# Altium PCB ir-24v-shit5-7.PcbDoc (part 1 of 6)
Units mm, origin at the board's own origin, x right, y up, seen from the top; angles counter-clockwise.
Board outline 326.8 x 258 mm, 2 copper layers (Top Layer, Bottom Layer); 1190 components, 31 nets, 3220 pads, 0 vias.
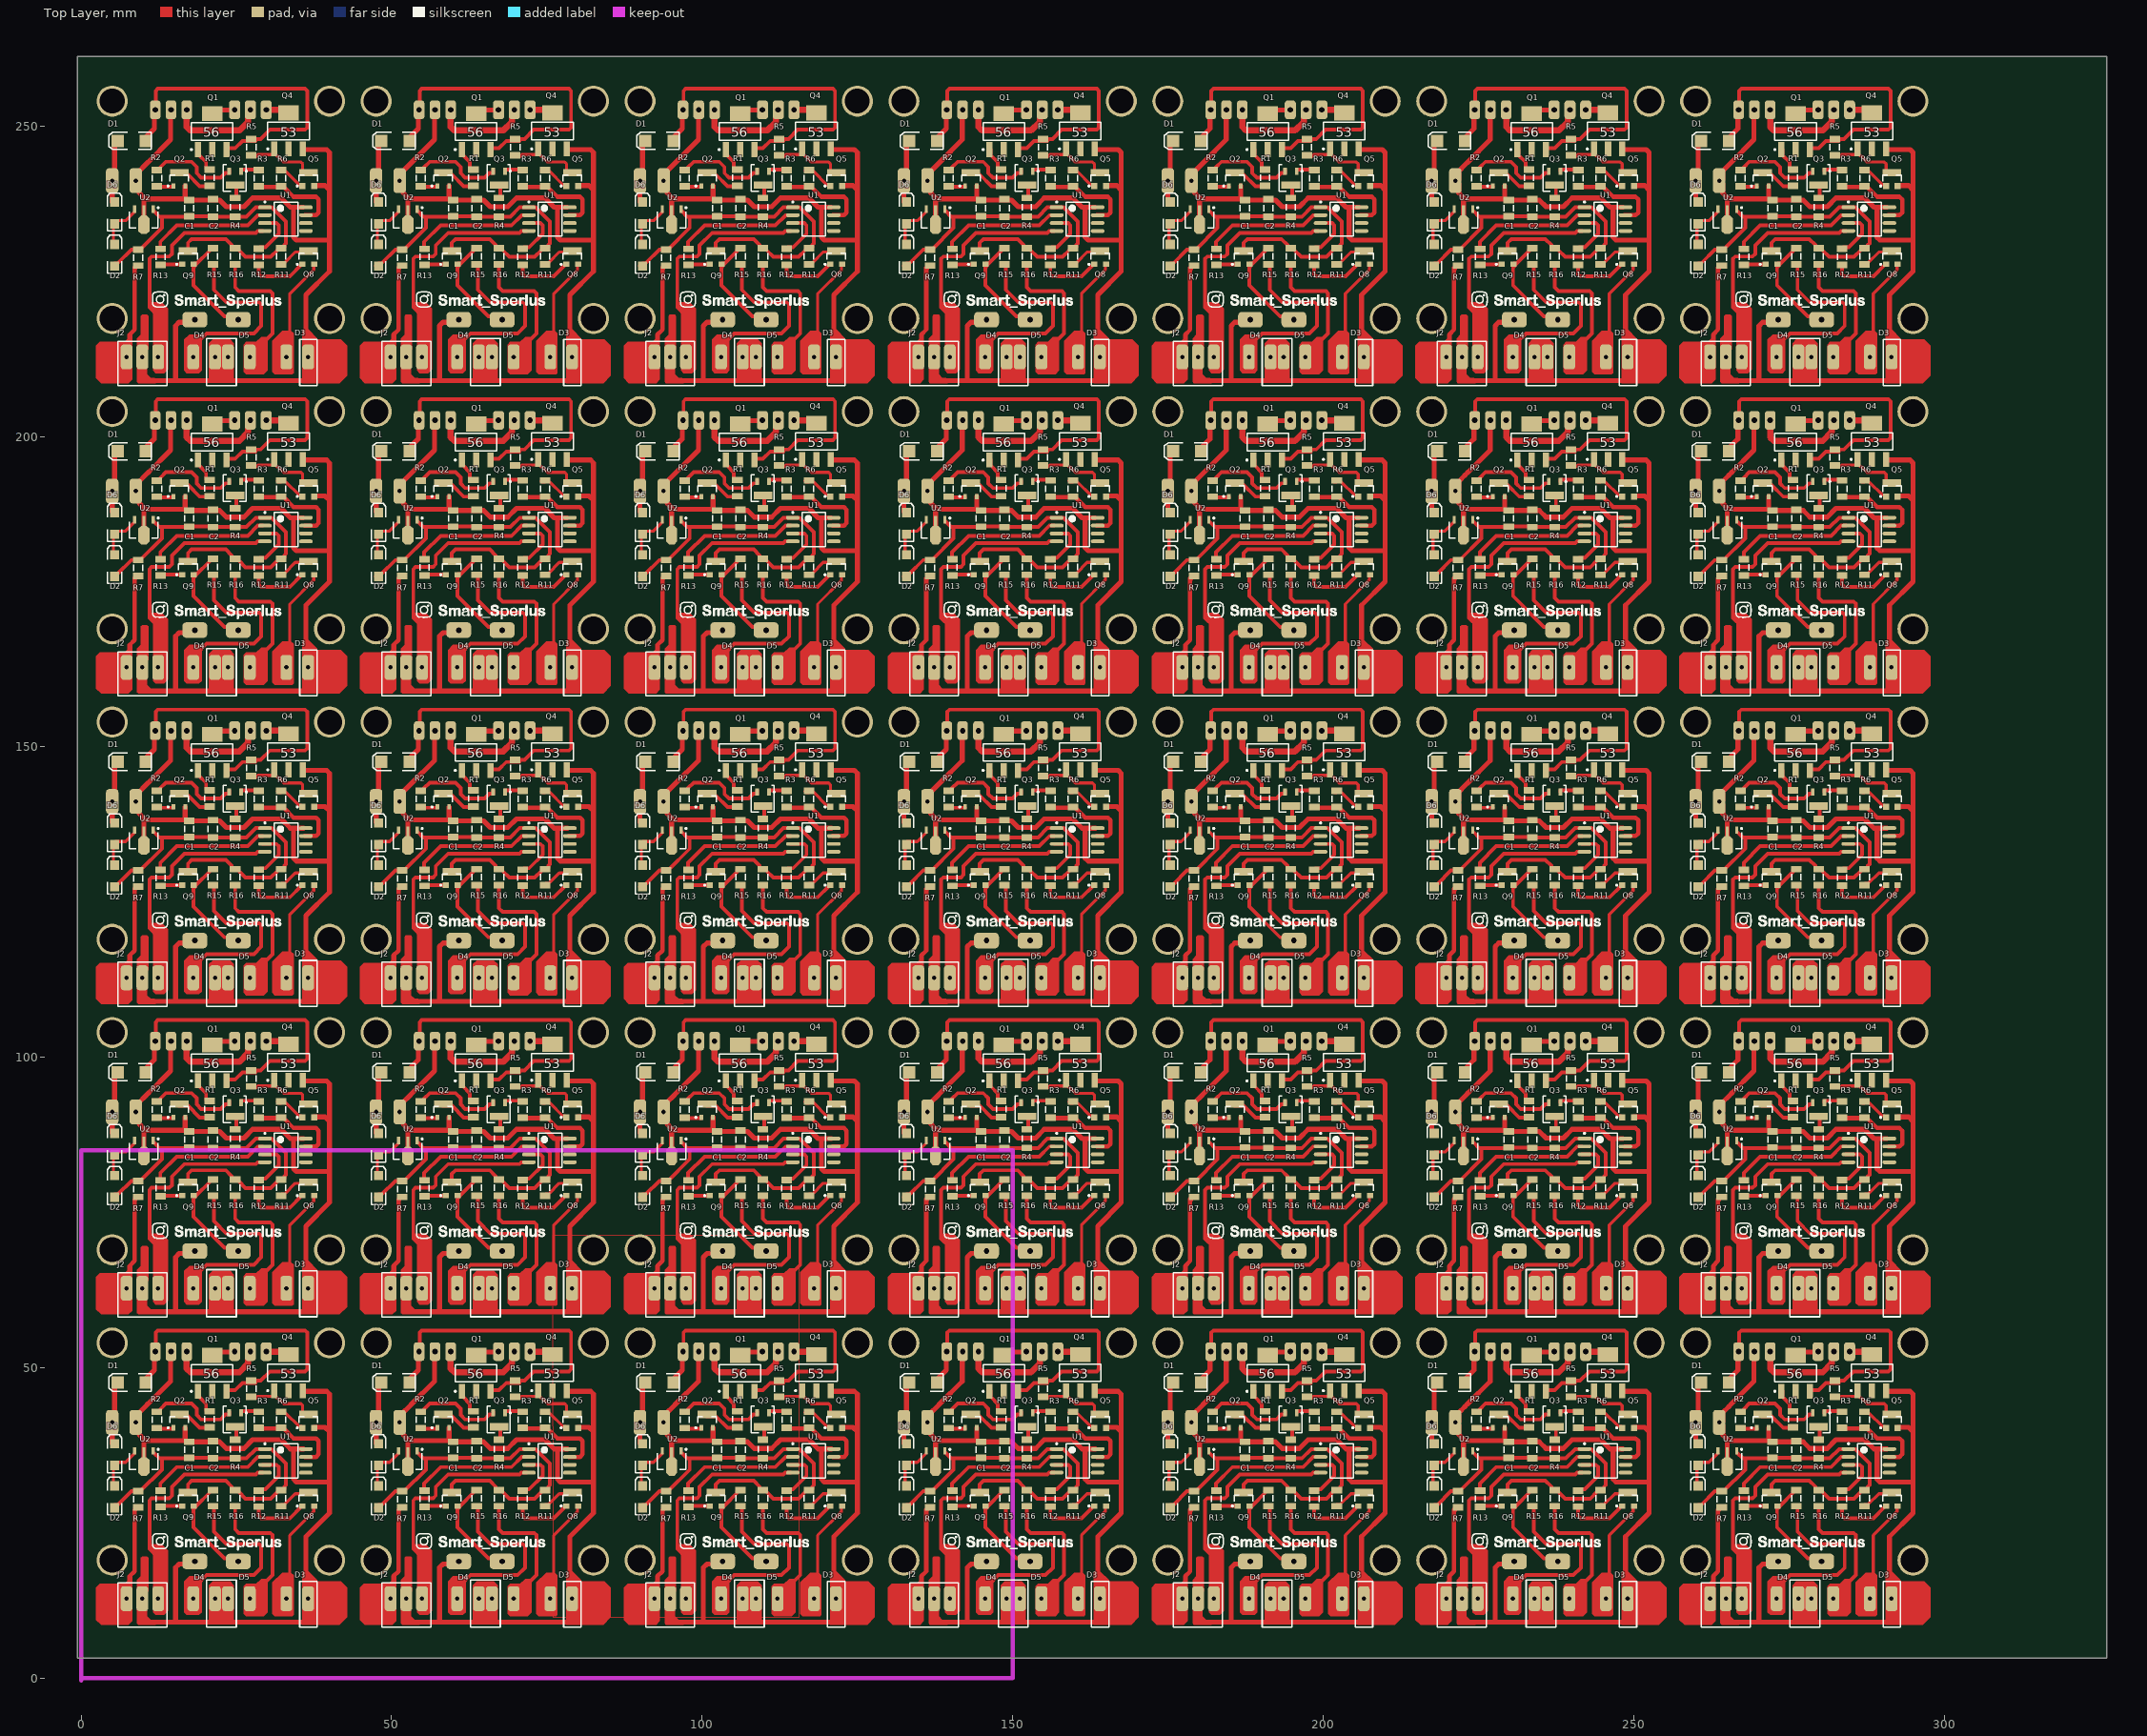
[diagram p0: Top Layer view]
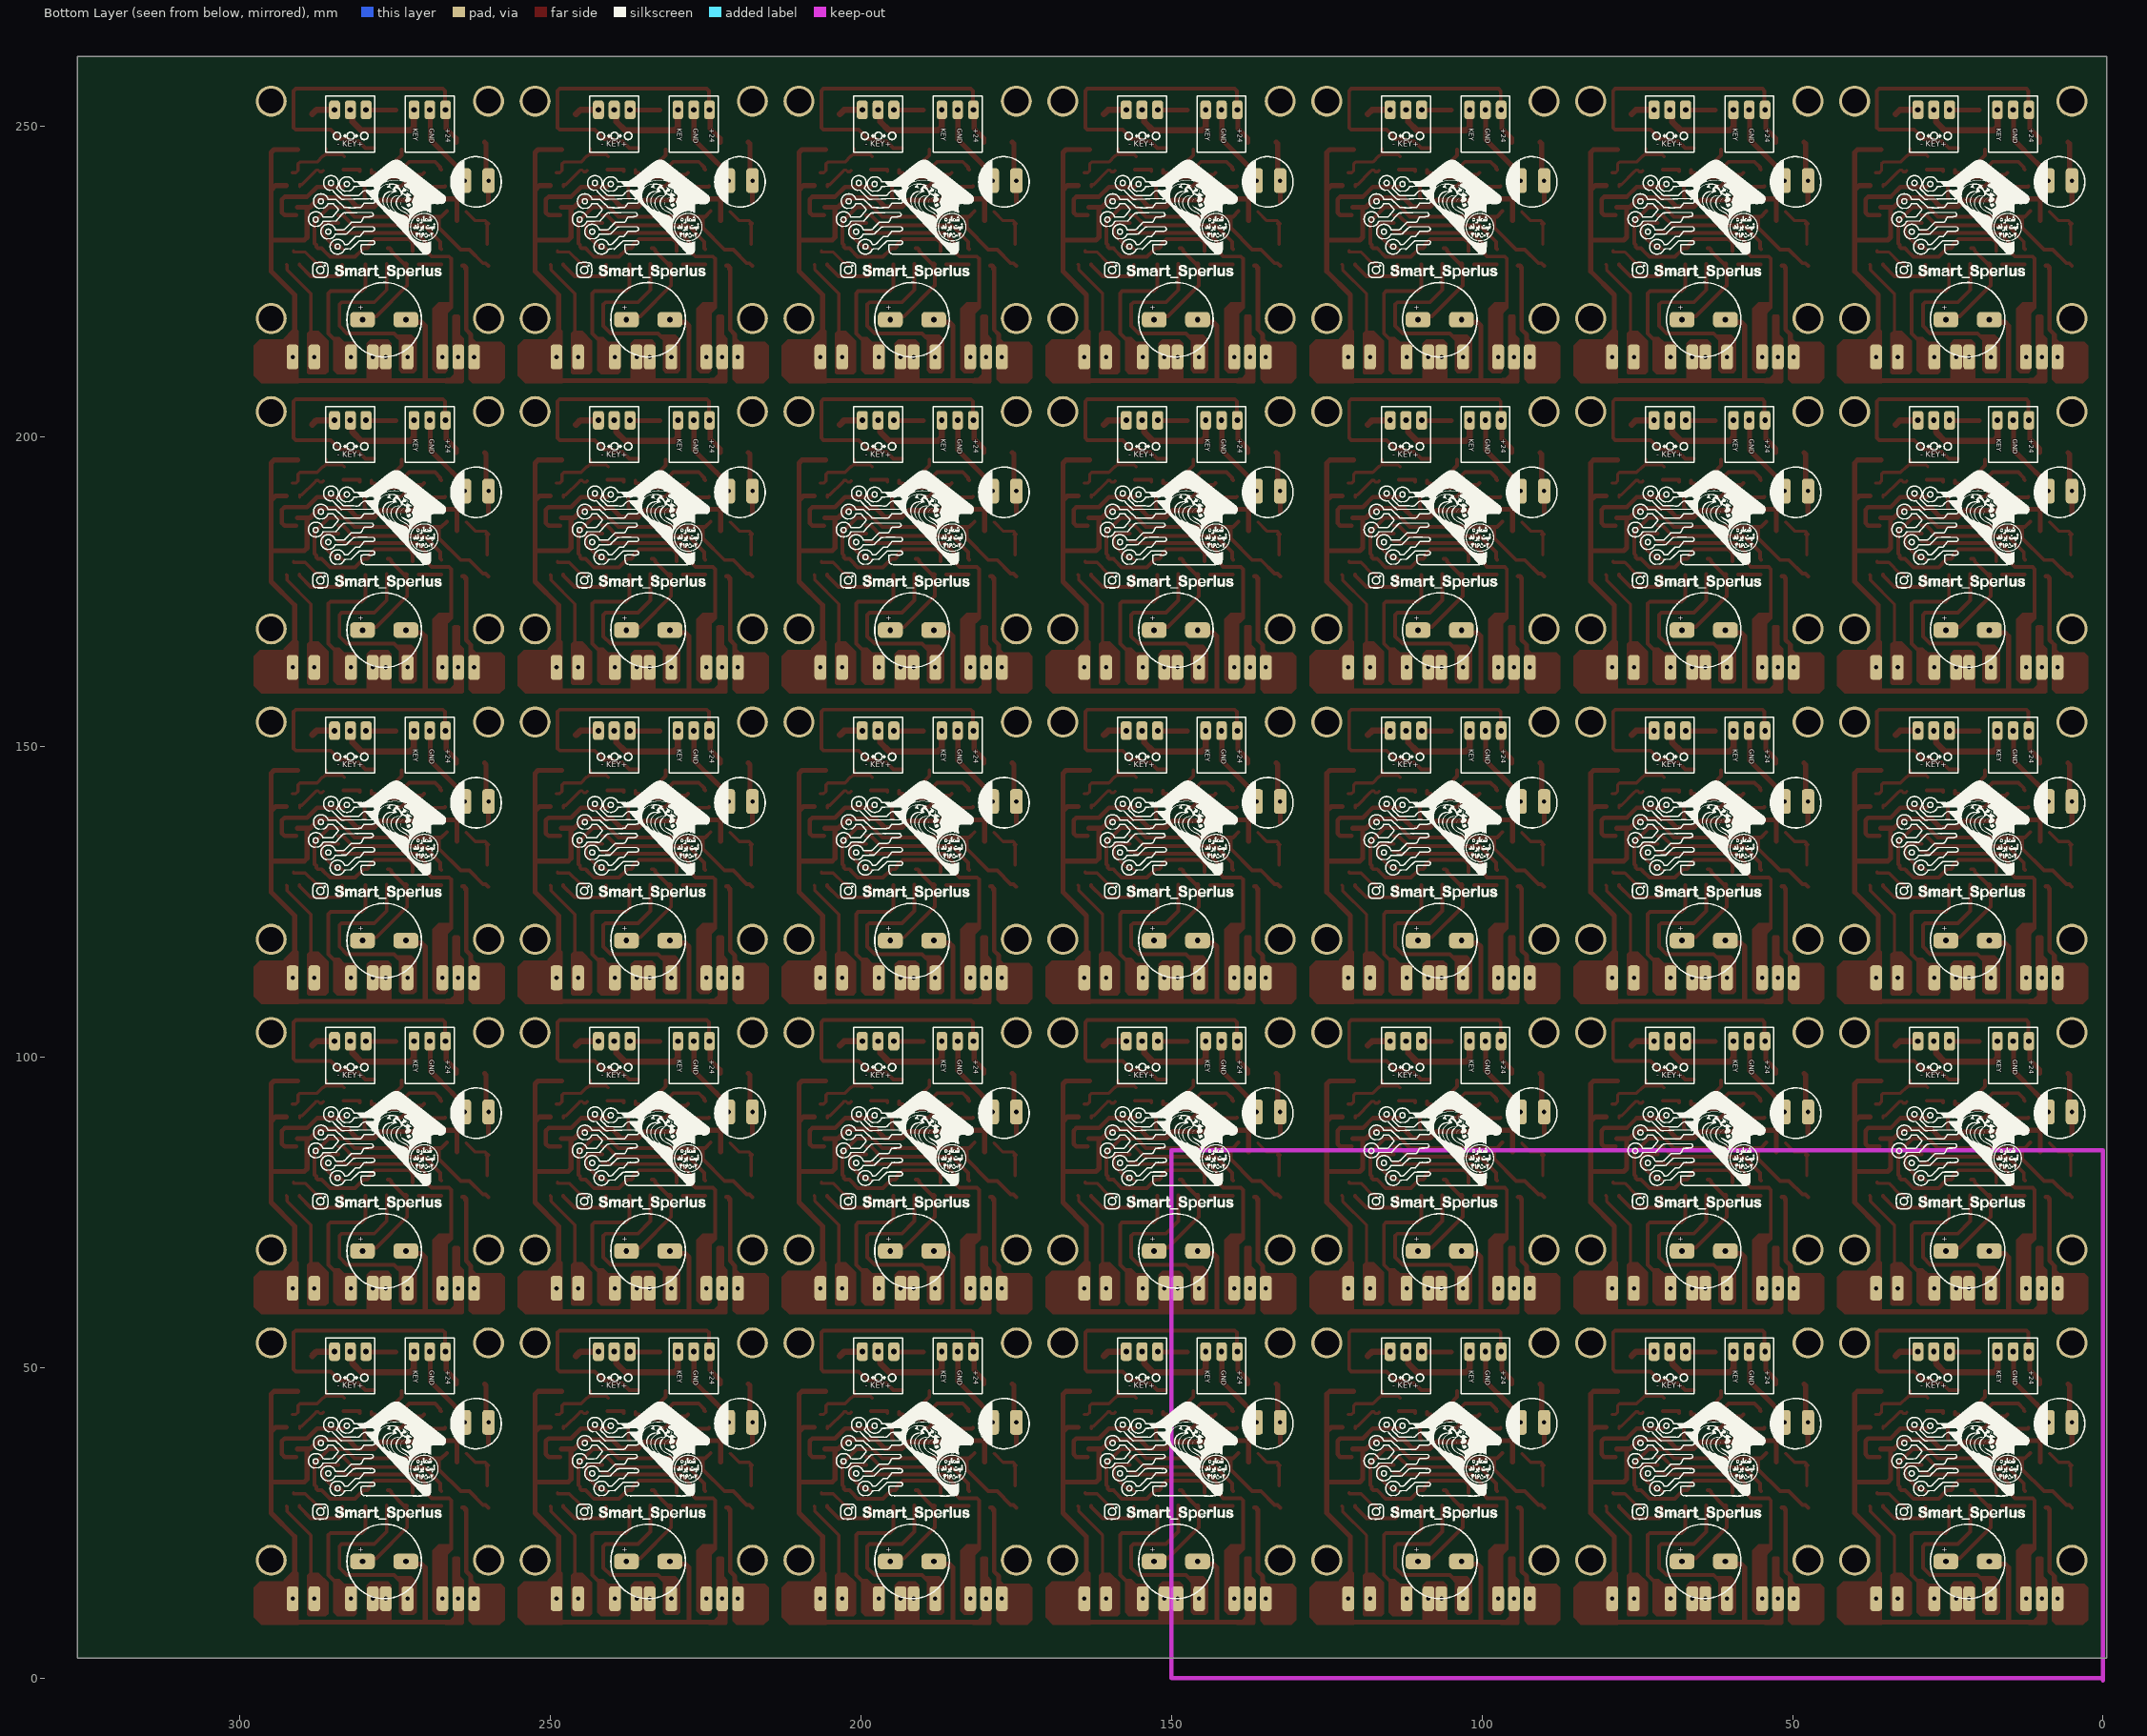
[diagram p1: Bottom Layer view, seen from below]

## Layer stack, top to bottom
Top Solder: solder mask 0.0102, Solder Resist, Dk 3.5
Top Layer: signal copper 0.0356
Dielectric 1: dielectric 0.32, FR-4, Dk 4.8
Bottom Layer: signal copper 0.0356
Bottom Solder: solder mask 0.0102, Solder Resist, Dk 3.5

## Board outline
-0.6,3.2 -0.6,261.2 326.2,261.2 326.2,3.2

## Design rules (kind name [scope] priority, off if disabled: settings)
Clearance Clearance_1 [InPolygon] p1: gap=1 ignorepadtopadclearanceinfootprint=FALSE
Clearance [All] p2: gap=0.4 ignorepadtopadclearanceinfootprint=FALSE
PolygonConnect [All] p1: connectstyle=Relief reliefconductorwidth=0.254 reliefentries=4 polygonreliefangle="90 Angle" airgapwidth=0.254
RoutingLayers [All] p1: top layer_v5=FALSE bottom layer_v5=TRUE
RoutingVias [All] p1: holewidth=0.711 width=2.5 viastyle="Through Hole" minholewidth=0.711 minwidth=1.27 maxholewidth=0.711 maxwidth=2
SolderMaskExpansion [All] p1: expansion=0.102 istentingtop=FALSE
SupplyNets "Schematic Supply Nets" [InNet('GND')] p1: voltage=0.000
Width [All] p1: maxlimit=3 minlimit=0.4 preferedwidth=1
29 further rules are at their usual default settings.

## Classes and differential pairs
component class ir-24v: D21 D22 D23 J8 JP? P5 P7 R22 U17

## Components (designator, comment, footprint, x,y, rotation, side; value= is the part's Value field where it differs from the comment)
Buzzer1 "Buzzer" BUZZER 276.8,18.8 r180 bottom
Buzzer1 "Buzzer" BUZZER 276.8,68.8 r180 bottom
Buzzer1 "Buzzer" BUZZER 276.8,118.8 r180 bottom
Buzzer1 "Buzzer" BUZZER 276.8,168.8 r180 bottom
Buzzer1 "Buzzer" BUZZER 276.8,218.8 r180 bottom
Buzzer1 "Buzzer" BUZZER 234.3,18.8 r180 bottom
Buzzer1 "Buzzer" BUZZER 234.3,68.8 r180 bottom
Buzzer1 "Buzzer" BUZZER 234.3,118.8 r180 bottom
Buzzer1 "Buzzer" BUZZER 234.3,168.8 r180 bottom
Buzzer1 "Buzzer" BUZZER 234.3,218.8 r180 bottom
Buzzer1 "Buzzer" BUZZER 191.8,18.8 r180 bottom
Buzzer1 "Buzzer" BUZZER 191.8,68.8 r180 bottom
Buzzer1 "Buzzer" BUZZER 191.8,118.8 r180 bottom
Buzzer1 "Buzzer" BUZZER 191.8,168.8 r180 bottom
Buzzer1 "Buzzer" BUZZER 191.8,218.8 r180 bottom
Buzzer1 "Buzzer" BUZZER 149.3,18.8 r180 bottom
Buzzer1 "Buzzer" BUZZER 149.3,68.8 r180 bottom
Buzzer1 "Buzzer" BUZZER 149.3,118.8 r180 bottom
Buzzer1 "Buzzer" BUZZER 149.3,168.8 r180 bottom
Buzzer1 "Buzzer" BUZZER 149.3,218.8 r180 bottom
Buzzer1 "Buzzer" BUZZER 106.8,18.8 r180 bottom
Buzzer1 "Buzzer" BUZZER 106.8,68.8 r180 bottom
Buzzer1 "Buzzer" BUZZER 106.8,118.8 r180 bottom
Buzzer1 "Buzzer" BUZZER 106.8,168.8 r180 bottom
Buzzer1 "Buzzer" BUZZER 106.8,218.8 r180 bottom
Buzzer1 "Buzzer" BUZZER 64.3,18.8 r180 bottom
Buzzer1 "Buzzer" BUZZER 64.3,68.8 r180 bottom
Buzzer1 "Buzzer" BUZZER 64.3,118.8 r180 bottom
Buzzer1 "Buzzer" BUZZER 64.3,168.8 r180 bottom
Buzzer1 "Buzzer" BUZZER 64.3,218.8 r180 bottom
Buzzer1 "Buzzer" BUZZER 21.8,18.8 r180 bottom
Buzzer1 "Buzzer" BUZZER 21.8,68.8 r180 bottom
Buzzer1 "Buzzer" BUZZER 21.8,118.8 r180 bottom
Buzzer1 "Buzzer" BUZZER 21.8,168.8 r180 bottom
Buzzer1 "Buzzer" BUZZER 21.8,218.8 r180 bottom
C1 "=Value" "CAP 1206"#1 272.4,36.8 r270 top
C1 "=Value" "CAP 1206"#1 272.4,86.8 r270 top
C1 "=Value" "CAP 1206"#1 272.4,136.8 r270 top
C1 "=Value" "CAP 1206"#1 272.4,186.8 r270 top
C1 "=Value" "CAP 1206"#1 272.4,236.8 r270 top
C1 "=Value" "CAP 1206"#1 229.9,36.8 r270 top
C1 "=Value" "CAP 1206"#1 229.9,86.8 r270 top
C1 "=Value" "CAP 1206"#1 229.9,136.8 r270 top
C1 "=Value" "CAP 1206"#1 229.9,186.8 r270 top
C1 "=Value" "CAP 1206"#1 229.9,236.8 r270 top
C1 "=Value" "CAP 1206"#1 187.4,36.8 r270 top
C1 "=Value" "CAP 1206"#1 187.4,86.8 r270 top
C1 "=Value" "CAP 1206"#1 187.4,136.8 r270 top
C1 "=Value" "CAP 1206"#1 187.4,186.8 r270 top
C1 "=Value" "CAP 1206"#1 187.4,236.8 r270 top
C1 "=Value" "CAP 1206"#1 144.9,36.8 r270 top
C1 "=Value" "CAP 1206"#1 144.9,86.8 r270 top
C1 "=Value" "CAP 1206"#1 144.9,136.8 r270 top
C1 "=Value" "CAP 1206"#1 144.9,186.8 r270 top
C1 "=Value" "CAP 1206"#1 144.9,236.8 r270 top
C1 "=Value" "CAP 1206"#1 102.4,36.8 r270 top
C1 "=Value" "CAP 1206"#1 102.4,86.8 r270 top
C1 "=Value" "CAP 1206"#1 102.4,136.8 r270 top
C1 "=Value" "CAP 1206"#1 102.4,186.8 r270 top
C1 "=Value" "CAP 1206"#1 102.4,236.8 r270 top
C1 "=Value" "CAP 1206"#1 59.9,36.8 r270 top
C1 "=Value" "CAP 1206"#1 59.9,86.8 r270 top
C1 "=Value" "CAP 1206"#1 59.9,136.8 r270 top
C1 "=Value" "CAP 1206"#1 59.9,186.8 r270 top
C1 "=Value" "CAP 1206"#1 59.9,236.8 r270 top
C1 "=Value" "CAP 1206"#1 17.4,36.8 r270 top
C1 "=Value" "CAP 1206"#1 17.4,86.8 r270 top
C1 "=Value" "CAP 1206"#1 17.4,136.8 r270 top
C1 "=Value" "CAP 1206"#1 17.4,186.8 r270 top
C1 "=Value" "CAP 1206"#1 17.4,236.8 r270 top
C2 "=Value" "CAP 1206"#2 276.2,36.8 r270 top
C2 "=Value" "CAP 1206"#2 276.2,86.8 r270 top
C2 "=Value" "CAP 1206"#2 276.2,136.8 r270 top
C2 "=Value" "CAP 1206"#2 276.2,186.8 r270 top
C2 "=Value" "CAP 1206"#2 276.2,236.8 r270 top
C2 "=Value" "CAP 1206"#2 233.7,36.8 r270 top
C2 "=Value" "CAP 1206"#2 233.7,86.8 r270 top
C2 "=Value" "CAP 1206"#2 233.7,136.8 r270 top
C2 "=Value" "CAP 1206"#2 233.7,186.8 r270 top
C2 "=Value" "CAP 1206"#2 233.7,236.8 r270 top
C2 "=Value" "CAP 1206"#2 191.2,36.8 r270 top
C2 "=Value" "CAP 1206"#2 191.2,86.8 r270 top
C2 "=Value" "CAP 1206"#2 191.2,136.8 r270 top
C2 "=Value" "CAP 1206"#2 191.2,186.8 r270 top
C2 "=Value" "CAP 1206"#2 191.2,236.8 r270 top
C2 "=Value" "CAP 1206"#2 148.7,36.8 r270 top
C2 "=Value" "CAP 1206"#2 148.7,86.8 r270 top
C2 "=Value" "CAP 1206"#2 148.7,136.8 r270 top
C2 "=Value" "CAP 1206"#2 148.7,186.8 r270 top
C2 "=Value" "CAP 1206"#2 148.7,236.8 r270 top
C2 "=Value" "CAP 1206"#2 106.2,36.8 r270 top
C2 "=Value" "CAP 1206"#2 106.2,86.8 r270 top
C2 "=Value" "CAP 1206"#2 106.2,136.8 r270 top
C2 "=Value" "CAP 1206"#2 106.2,186.8 r270 top
C2 "=Value" "CAP 1206"#2 106.2,236.8 r270 top
C2 "=Value" "CAP 1206"#2 63.7,36.8 r270 top
C2 "=Value" "CAP 1206"#2 63.7,86.8 r270 top
C2 "=Value" "CAP 1206"#2 63.7,136.8 r270 top
C2 "=Value" "CAP 1206"#2 63.7,186.8 r270 top
C2 "=Value" "CAP 1206"#2 63.7,236.8 r270 top
C2 "=Value" "CAP 1206"#2 21.2,36.8 r270 top
C2 "=Value" "CAP 1206"#2 21.2,86.8 r270 top
C2 "=Value" "CAP 1206"#2 21.2,136.8 r270 top
C2 "=Value" "CAP 1206"#2 21.2,186.8 r270 top
C2 "=Value" "CAP 1206"#2 21.2,236.8 r270 top
C5 "=Value" ELEC-CAP-RAD15-30 262,41 r180 bottom
C5 "=Value" ELEC-CAP-RAD15-30 262,91 r180 bottom
C5 "=Value" ELEC-CAP-RAD15-30 262,141 r180 bottom
C5 "=Value" ELEC-CAP-RAD15-30 262,191 r180 bottom
C5 "=Value" ELEC-CAP-RAD15-30 262,241 r180 bottom
C5 "=Value" ELEC-CAP-RAD15-30 219.5,41 r180 bottom
C5 "=Value" ELEC-CAP-RAD15-30 219.5,91 r180 bottom
C5 "=Value" ELEC-CAP-RAD15-30 219.5,141 r180 bottom
C5 "=Value" ELEC-CAP-RAD15-30 219.5,191 r180 bottom
C5 "=Value" ELEC-CAP-RAD15-30 219.5,241 r180 bottom
C5 "=Value" ELEC-CAP-RAD15-30 177,41 r180 bottom
C5 "=Value" ELEC-CAP-RAD15-30 177,91 r180 bottom
C5 "=Value" ELEC-CAP-RAD15-30 177,141 r180 bottom
C5 "=Value" ELEC-CAP-RAD15-30 177,191 r180 bottom
C5 "=Value" ELEC-CAP-RAD15-30 177,241 r180 bottom
C5 "=Value" ELEC-CAP-RAD15-30 134.5,41 r180 bottom
C5 "=Value" ELEC-CAP-RAD15-30 134.5,91 r180 bottom
C5 "=Value" ELEC-CAP-RAD15-30 134.5,141 r180 bottom
C5 "=Value" ELEC-CAP-RAD15-30 134.5,191 r180 bottom
C5 "=Value" ELEC-CAP-RAD15-30 134.5,241 r180 bottom
C5 "=Value" ELEC-CAP-RAD15-30 92,41 r180 bottom
C5 "=Value" ELEC-CAP-RAD15-30 92,91 r180 bottom
C5 "=Value" ELEC-CAP-RAD15-30 92,141 r180 bottom
C5 "=Value" ELEC-CAP-RAD15-30 92,191 r180 bottom
C5 "=Value" ELEC-CAP-RAD15-30 92,241 r180 bottom
C5 "=Value" ELEC-CAP-RAD15-30 49.5,41 r180 bottom
C5 "=Value" ELEC-CAP-RAD15-30 49.5,91 r180 bottom
C5 "=Value" ELEC-CAP-RAD15-30 49.5,141 r180 bottom
C5 "=Value" ELEC-CAP-RAD15-30 49.5,191 r180 bottom
C5 "=Value" ELEC-CAP-RAD15-30 49.5,241 r180 bottom
C5 "=Value" ELEC-CAP-RAD15-30 7,41 r180 bottom
C5 "=Value" ELEC-CAP-RAD15-30 7,91 r180 bottom
C5 "=Value" ELEC-CAP-RAD15-30 7,141 r180 bottom
C5 "=Value" ELEC-CAP-RAD15-30 7,191 r180 bottom
C5 "=Value" ELEC-CAP-RAD15-30 7,241 r180 bottom
D1 "D Tunnel1" 3.2X1.6X1.1#1 263.4,47.6 r180 top
D1 "D Tunnel1" 3.2X1.6X1.1#1 263.4,97.6 r180 top
D1 "D Tunnel1" 3.2X1.6X1.1#1 263.4,147.6 r180 top
D1 "D Tunnel1" 3.2X1.6X1.1#1 263.4,197.6 r180 top
D1 "D Tunnel1" 3.2X1.6X1.1#1 263.4,247.6 r180 top
D1 "D Tunnel1" 3.2X1.6X1.1#1 220.9,47.6 r180 top
D1 "D Tunnel1" 3.2X1.6X1.1#1 220.9,97.6 r180 top
D1 "D Tunnel1" 3.2X1.6X1.1#1 220.9,147.6 r180 top
D1 "D Tunnel1" 3.2X1.6X1.1#1 220.9,197.6 r180 top
D1 "D Tunnel1" 3.2X1.6X1.1#1 220.9,247.6 r180 top
D1 "D Tunnel1" 3.2X1.6X1.1#1 178.4,47.6 r180 top
D1 "D Tunnel1" 3.2X1.6X1.1#1 178.4,97.6 r180 top
D1 "D Tunnel1" 3.2X1.6X1.1#1 178.4,147.6 r180 top
D1 "D Tunnel1" 3.2X1.6X1.1#1 178.4,197.6 r180 top
D1 "D Tunnel1" 3.2X1.6X1.1#1 178.4,247.6 r180 top
D1 "D Tunnel1" 3.2X1.6X1.1#1 135.9,47.6 r180 top
D1 "D Tunnel1" 3.2X1.6X1.1#1 135.9,97.6 r180 top
D1 "D Tunnel1" 3.2X1.6X1.1#1 135.9,147.6 r180 top
D1 "D Tunnel1" 3.2X1.6X1.1#1 135.9,197.6 r180 top
D1 "D Tunnel1" 3.2X1.6X1.1#1 135.9,247.6 r180 top
D1 "D Tunnel1" 3.2X1.6X1.1#1 93.4,47.6 r180 top
D1 "D Tunnel1" 3.2X1.6X1.1#1 93.4,97.6 r180 top
D1 "D Tunnel1" 3.2X1.6X1.1#1 93.4,147.6 r180 top
D1 "D Tunnel1" 3.2X1.6X1.1#1 93.4,197.6 r180 top
D1 "D Tunnel1" 3.2X1.6X1.1#1 93.4,247.6 r180 top
D1 "D Tunnel1" 3.2X1.6X1.1#1 50.9,47.6 r180 top
D1 "D Tunnel1" 3.2X1.6X1.1#1 50.9,97.6 r180 top
D1 "D Tunnel1" 3.2X1.6X1.1#1 50.9,147.6 r180 top
D1 "D Tunnel1" 3.2X1.6X1.1#1 50.9,197.6 r180 top
D1 "D Tunnel1" 3.2X1.6X1.1#1 50.9,247.6 r180 top
D1 "D Tunnel1" 3.2X1.6X1.1#1 8.4,47.6 r180 top
D1 "D Tunnel1" 3.2X1.6X1.1#1 8.4,97.6 r180 top
D1 "D Tunnel1" 3.2X1.6X1.1#1 8.4,147.6 r180 top
D1 "D Tunnel1" 3.2X1.6X1.1#1 8.4,197.6 r180 top
D1 "D Tunnel1" 3.2X1.6X1.1#1 8.4,247.6 r180 top
D2 "D Tunnel1" 3.2X1.6X1.1#2 260.4,29.2 r90 top
D2 "D Tunnel1" 3.2X1.6X1.1#2 260.4,79.2 r90 top
D2 "D Tunnel1" 3.2X1.6X1.1#2 260.4,129.2 r90 top
D2 "D Tunnel1" 3.2X1.6X1.1#2 260.4,179.2 r90 top
D2 "D Tunnel1" 3.2X1.6X1.1#2 260.4,229.2 r90 top
D2 "D Tunnel1" 3.2X1.6X1.1#2 217.9,29.2 r90 top
D2 "D Tunnel1" 3.2X1.6X1.1#2 217.9,79.2 r90 top
D2 "D Tunnel1" 3.2X1.6X1.1#2 217.9,129.2 r90 top
D2 "D Tunnel1" 3.2X1.6X1.1#2 217.9,179.2 r90 top
D2 "D Tunnel1" 3.2X1.6X1.1#2 217.9,229.2 r90 top
D2 "D Tunnel1" 3.2X1.6X1.1#2 175.4,29.2 r90 top
D2 "D Tunnel1" 3.2X1.6X1.1#2 175.4,79.2 r90 top
D2 "D Tunnel1" 3.2X1.6X1.1#2 175.4,129.2 r90 top
D2 "D Tunnel1" 3.2X1.6X1.1#2 175.4,179.2 r90 top
D2 "D Tunnel1" 3.2X1.6X1.1#2 175.4,229.2 r90 top
D2 "D Tunnel1" 3.2X1.6X1.1#2 132.9,29.2 r90 top
D2 "D Tunnel1" 3.2X1.6X1.1#2 132.9,79.2 r90 top
D2 "D Tunnel1" 3.2X1.6X1.1#2 132.9,129.2 r90 top
D2 "D Tunnel1" 3.2X1.6X1.1#2 132.9,179.2 r90 top
D2 "D Tunnel1" 3.2X1.6X1.1#2 132.9,229.2 r90 top
D2 "D Tunnel1" 3.2X1.6X1.1#2 90.4,29.2 r90 top
D2 "D Tunnel1" 3.2X1.6X1.1#2 90.4,79.2 r90 top
D2 "D Tunnel1" 3.2X1.6X1.1#2 90.4,129.2 r90 top
D2 "D Tunnel1" 3.2X1.6X1.1#2 90.4,179.2 r90 top
D2 "D Tunnel1" 3.2X1.6X1.1#2 90.4,229.2 r90 top
D2 "D Tunnel1" 3.2X1.6X1.1#2 47.9,29.2 r90 top
D2 "D Tunnel1" 3.2X1.6X1.1#2 47.9,79.2 r90 top
D2 "D Tunnel1" 3.2X1.6X1.1#2 47.9,129.2 r90 top
D2 "D Tunnel1" 3.2X1.6X1.1#2 47.9,179.2 r90 top
D2 "D Tunnel1" 3.2X1.6X1.1#2 47.9,229.2 r90 top
D2 "D Tunnel1" 3.2X1.6X1.1#2 5.4,29.2 r90 top
D2 "D Tunnel1" 3.2X1.6X1.1#2 5.4,79.2 r90 top
D2 "D Tunnel1" 3.2X1.6X1.1#2 5.4,129.2 r90 top
D2 "D Tunnel1" 3.2X1.6X1.1#2 5.4,179.2 r90 top
D2 "D Tunnel1" 3.2X1.6X1.1#2 5.4,229.2 r90 top
D3 "LED2" 3.2X1.6X1.1#3 289.8,12.8 r0 top
D3 "LED2" 3.2X1.6X1.1#3 289.8,62.8 r0 top
D3 "LED2" 3.2X1.6X1.1#3 289.8,112.8 r0 top
D3 "LED2" 3.2X1.6X1.1#3 289.8,162.8 r0 top
D3 "LED2" 3.2X1.6X1.1#3 289.8,212.8 r0 top
D3 "LED2" 3.2X1.6X1.1#3 247.3,12.8 r0 top
D3 "LED2" 3.2X1.6X1.1#3 247.3,62.8 r0 top
D3 "LED2" 3.2X1.6X1.1#3 247.3,112.8 r0 top
D3 "LED2" 3.2X1.6X1.1#3 247.3,162.8 r0 top
D3 "LED2" 3.2X1.6X1.1#3 247.3,212.8 r0 top
D3 "LED2" 3.2X1.6X1.1#3 204.8,12.8 r0 top
D3 "LED2" 3.2X1.6X1.1#3 204.8,62.8 r0 top
D3 "LED2" 3.2X1.6X1.1#3 204.8,112.8 r0 top
D3 "LED2" 3.2X1.6X1.1#3 204.8,162.8 r0 top
D3 "LED2" 3.2X1.6X1.1#3 204.8,212.8 r0 top
D3 "LED2" 3.2X1.6X1.1#3 162.3,12.8 r0 top
D3 "LED2" 3.2X1.6X1.1#3 162.3,62.8 r0 top
D3 "LED2" 3.2X1.6X1.1#3 162.3,112.8 r0 top
D3 "LED2" 3.2X1.6X1.1#3 162.3,162.8 r0 top
D3 "LED2" 3.2X1.6X1.1#3 162.3,212.8 r0 top
D3 "LED2" 3.2X1.6X1.1#3 119.8,12.8 r0 top
D3 "LED2" 3.2X1.6X1.1#3 119.8,62.8 r0 top
D3 "LED2" 3.2X1.6X1.1#3 119.8,112.8 r0 top
D3 "LED2" 3.2X1.6X1.1#3 119.8,162.8 r0 top
D3 "LED2" 3.2X1.6X1.1#3 119.8,212.8 r0 top
D3 "LED2" 3.2X1.6X1.1#3 77.3,12.8 r0 top
D3 "LED2" 3.2X1.6X1.1#3 77.3,62.8 r0 top
D3 "LED2" 3.2X1.6X1.1#3 77.3,112.8 r0 top
D3 "LED2" 3.2X1.6X1.1#3 77.3,162.8 r0 top
D3 "LED2" 3.2X1.6X1.1#3 77.3,212.8 r0 top
D3 "LED2" 3.2X1.6X1.1#3 34.8,12.8 r0 top
D3 "LED2" 3.2X1.6X1.1#3 34.8,62.8 r0 top
D3 "LED2" 3.2X1.6X1.1#3 34.8,112.8 r0 top
D3 "LED2" 3.2X1.6X1.1#3 34.8,162.8 r0 top
D3 "LED2" 3.2X1.6X1.1#3 34.8,212.8 r0 top
D4 "LED2" 3.2X1.6X1.1#4 274.8,12.6 r0 top
D4 "LED2" 3.2X1.6X1.1#4 274.8,62.6 r0 top
D4 "LED2" 3.2X1.6X1.1#4 274.8,112.6 r0 top
D4 "LED2" 3.2X1.6X1.1#4 274.8,162.6 r0 top
D4 "LED2" 3.2X1.6X1.1#4 274.8,212.6 r0 top
D4 "LED2" 3.2X1.6X1.1#4 232.3,12.6 r0 top
D4 "LED2" 3.2X1.6X1.1#4 232.3,62.6 r0 top
D4 "LED2" 3.2X1.6X1.1#4 232.3,112.6 r0 top
D4 "LED2" 3.2X1.6X1.1#4 232.3,162.6 r0 top
D4 "LED2" 3.2X1.6X1.1#4 232.3,212.6 r0 top
D4 "LED2" 3.2X1.6X1.1#4 189.8,12.6 r0 top
D4 "LED2" 3.2X1.6X1.1#4 189.8,62.6 r0 top
D4 "LED2" 3.2X1.6X1.1#4 189.8,112.6 r0 top
D4 "LED2" 3.2X1.6X1.1#4 189.8,162.6 r0 top
D4 "LED2" 3.2X1.6X1.1#4 189.8,212.6 r0 top
D4 "LED2" 3.2X1.6X1.1#4 147.3,12.6 r0 top
D4 "LED2" 3.2X1.6X1.1#4 147.3,62.6 r0 top
D4 "LED2" 3.2X1.6X1.1#4 147.3,112.6 r0 top
D4 "LED2" 3.2X1.6X1.1#4 147.3,162.6 r0 top
D4 "LED2" 3.2X1.6X1.1#4 147.3,212.6 r0 top
D4 "LED2" 3.2X1.6X1.1#4 104.8,12.6 r0 top
D4 "LED2" 3.2X1.6X1.1#4 104.8,62.6 r0 top
D4 "LED2" 3.2X1.6X1.1#4 104.8,112.6 r0 top
D4 "LED2" 3.2X1.6X1.1#4 104.8,162.6 r0 top
D4 "LED2" 3.2X1.6X1.1#4 104.8,212.6 r0 top
D4 "LED2" 3.2X1.6X1.1#4 62.3,12.6 r0 top
D4 "LED2" 3.2X1.6X1.1#4 62.3,62.6 r0 top
D4 "LED2" 3.2X1.6X1.1#4 62.3,112.6 r0 top
D4 "LED2" 3.2X1.6X1.1#4 62.3,162.6 r0 top
D4 "LED2" 3.2X1.6X1.1#4 62.3,212.6 r0 top
D4 "LED2" 3.2X1.6X1.1#4 19.8,12.6 r0 top
D4 "LED2" 3.2X1.6X1.1#4 19.8,62.6 r0 top
D4 "LED2" 3.2X1.6X1.1#4 19.8,112.6 r0 top
D4 "LED2" 3.2X1.6X1.1#4 19.8,162.6 r0 top
D4 "LED2" 3.2X1.6X1.1#4 19.8,212.6 r0 top
D5 "LED2" 3.2X1.6X1.1#5 280.4,12.6 r180 top
D5 "LED2" 3.2X1.6X1.1#5 280.4,62.6 r180 top
D5 "LED2" 3.2X1.6X1.1#5 280.4,112.6 r180 top
D5 "LED2" 3.2X1.6X1.1#5 280.4,162.6 r180 top
D5 "LED2" 3.2X1.6X1.1#5 280.4,212.6 r180 top
D5 "LED2" 3.2X1.6X1.1#5 237.9,12.6 r180 top
D5 "LED2" 3.2X1.6X1.1#5 237.9,62.6 r180 top
D5 "LED2" 3.2X1.6X1.1#5 237.9,112.6 r180 top
D5 "LED2" 3.2X1.6X1.1#5 237.9,162.6 r180 top
D5 "LED2" 3.2X1.6X1.1#5 237.9,212.6 r180 top
D5 "LED2" 3.2X1.6X1.1#5 195.4,12.6 r180 top
D5 "LED2" 3.2X1.6X1.1#5 195.4,62.6 r180 top
D5 "LED2" 3.2X1.6X1.1#5 195.4,112.6 r180 top
D5 "LED2" 3.2X1.6X1.1#5 195.4,162.6 r180 top
D5 "LED2" 3.2X1.6X1.1#5 195.4,212.6 r180 top
D5 "LED2" 3.2X1.6X1.1#5 152.9,12.6 r180 top
D5 "LED2" 3.2X1.6X1.1#5 152.9,62.6 r180 top
D5 "LED2" 3.2X1.6X1.1#5 152.9,112.6 r180 top
D5 "LED2" 3.2X1.6X1.1#5 152.9,162.6 r180 top
D5 "LED2" 3.2X1.6X1.1#5 152.9,212.6 r180 top
D5 "LED2" 3.2X1.6X1.1#5 110.4,12.6 r180 top
D5 "LED2" 3.2X1.6X1.1#5 110.4,62.6 r180 top
D5 "LED2" 3.2X1.6X1.1#5 110.4,112.6 r180 top
D5 "LED2" 3.2X1.6X1.1#5 110.4,162.6 r180 top
D5 "LED2" 3.2X1.6X1.1#5 110.4,212.6 r180 top
D5 "LED2" 3.2X1.6X1.1#5 67.9,12.6 r180 top
D5 "LED2" 3.2X1.6X1.1#5 67.9,62.6 r180 top
D5 "LED2" 3.2X1.6X1.1#5 67.9,112.6 r180 top
D5 "LED2" 3.2X1.6X1.1#5 67.9,162.6 r180 top
D5 "LED2" 3.2X1.6X1.1#5 67.9,212.6 r180 top
D5 "LED2" 3.2X1.6X1.1#5 25.4,12.6 r180 top
D5 "LED2" 3.2X1.6X1.1#5 25.4,62.6 r180 top
D5 "LED2" 3.2X1.6X1.1#5 25.4,112.6 r180 top
D5 "LED2" 3.2X1.6X1.1#5 25.4,162.6 r180 top
D5 "LED2" 3.2X1.6X1.1#5 25.4,212.6 r180 top
D6 "D Tunnel1" 3.2X1.6X1.1#2 260.4,36 r90 top
D6 "D Tunnel1" 3.2X1.6X1.1#2 260.4,86 r90 top
D6 "D Tunnel1" 3.2X1.6X1.1#2 260.4,136 r90 top
D6 "D Tunnel1" 3.2X1.6X1.1#2 260.4,186 r90 top
D6 "D Tunnel1" 3.2X1.6X1.1#2 260.4,236 r90 top
D6 "D Tunnel1" 3.2X1.6X1.1#2 217.9,36 r90 top
D6 "D Tunnel1" 3.2X1.6X1.1#2 217.9,86 r90 top
D6 "D Tunnel1" 3.2X1.6X1.1#2 217.9,136 r90 top
D6 "D Tunnel1" 3.2X1.6X1.1#2 217.9,186 r90 top
D6 "D Tunnel1" 3.2X1.6X1.1#2 217.9,236 r90 top
D6 "D Tunnel1" 3.2X1.6X1.1#2 175.4,36 r90 top
D6 "D Tunnel1" 3.2X1.6X1.1#2 175.4,86 r90 top
D6 "D Tunnel1" 3.2X1.6X1.1#2 175.4,136 r90 top
D6 "D Tunnel1" 3.2X1.6X1.1#2 175.4,186 r90 top
D6 "D Tunnel1" 3.2X1.6X1.1#2 175.4,236 r90 top
D6 "D Tunnel1" 3.2X1.6X1.1#2 132.9,36 r90 top
D6 "D Tunnel1" 3.2X1.6X1.1#2 132.9,86 r90 top
D6 "D Tunnel1" 3.2X1.6X1.1#2 132.9,136 r90 top
D6 "D Tunnel1" 3.2X1.6X1.1#2 132.9,186 r90 top
D6 "D Tunnel1" 3.2X1.6X1.1#2 132.9,236 r90 top
D6 "D Tunnel1" 3.2X1.6X1.1#2 90.4,36 r90 top
D6 "D Tunnel1" 3.2X1.6X1.1#2 90.4,86 r90 top
D6 "D Tunnel1" 3.2X1.6X1.1#2 90.4,136 r90 top
D6 "D Tunnel1" 3.2X1.6X1.1#2 90.4,186 r90 top
D6 "D Tunnel1" 3.2X1.6X1.1#2 90.4,236 r90 top
D6 "D Tunnel1" 3.2X1.6X1.1#2 47.9,36 r90 top
D6 "D Tunnel1" 3.2X1.6X1.1#2 47.9,86 r90 top
D6 "D Tunnel1" 3.2X1.6X1.1#2 47.9,136 r90 top
D6 "D Tunnel1" 3.2X1.6X1.1#2 47.9,186 r90 top
D6 "D Tunnel1" 3.2X1.6X1.1#2 47.9,236 r90 top
D6 "D Tunnel1" 3.2X1.6X1.1#2 5.4,36 r90 top
D6 "D Tunnel1" 3.2X1.6X1.1#2 5.4,86 r90 top
D6 "D Tunnel1" 3.2X1.6X1.1#2 5.4,136 r90 top
D6 "D Tunnel1" 3.2X1.6X1.1#2 5.4,186 r90 top
D6 "D Tunnel1" 3.2X1.6X1.1#2 5.4,236 r90 top
J1 "Header3X1" "HEADER 3X1"#1 279.72,52.6 r0 bottom
J1 "Header3X1" "HEADER 3X1"#1 279.72,102.6 r0 bottom
J1 "Header3X1" "HEADER 3X1"#1 279.72,152.6 r0 bottom
J1 "Header3X1" "HEADER 3X1"#1 279.72,202.6 r0 bottom
J1 "Header3X1" "HEADER 3X1"#1 279.72,252.6 r0 bottom
J1 "Header3X1" "HEADER 3X1"#1 237.22,52.6 r0 bottom
J1 "Header3X1" "HEADER 3X1"#1 237.22,102.6 r0 bottom
J1 "Header3X1" "HEADER 3X1"#1 237.22,152.6 r0 bottom
J1 "Header3X1" "HEADER 3X1"#1 237.22,202.6 r0 bottom
J1 "Header3X1" "HEADER 3X1"#1 237.22,252.6 r0 bottom
J1 "Header3X1" "HEADER 3X1"#1 194.72,52.6 r0 bottom